# KiCad board Vectrex Pad miniNeoGeo.kicad_pcb
title: Vectrex Pad miniNeoGeo; date: 2022-08-17; rev: 1.3; note: or send a letter to Creative Commons, PO Box 1866, Mountain View, CA 94042, USA.; note: To view a copy of this license, visit http://creativecommons.org/licenses/by-sa/4.0/; note: Attribution-ShareAlike 4.0 International License.; note: This work is licensed under the Creative Commons
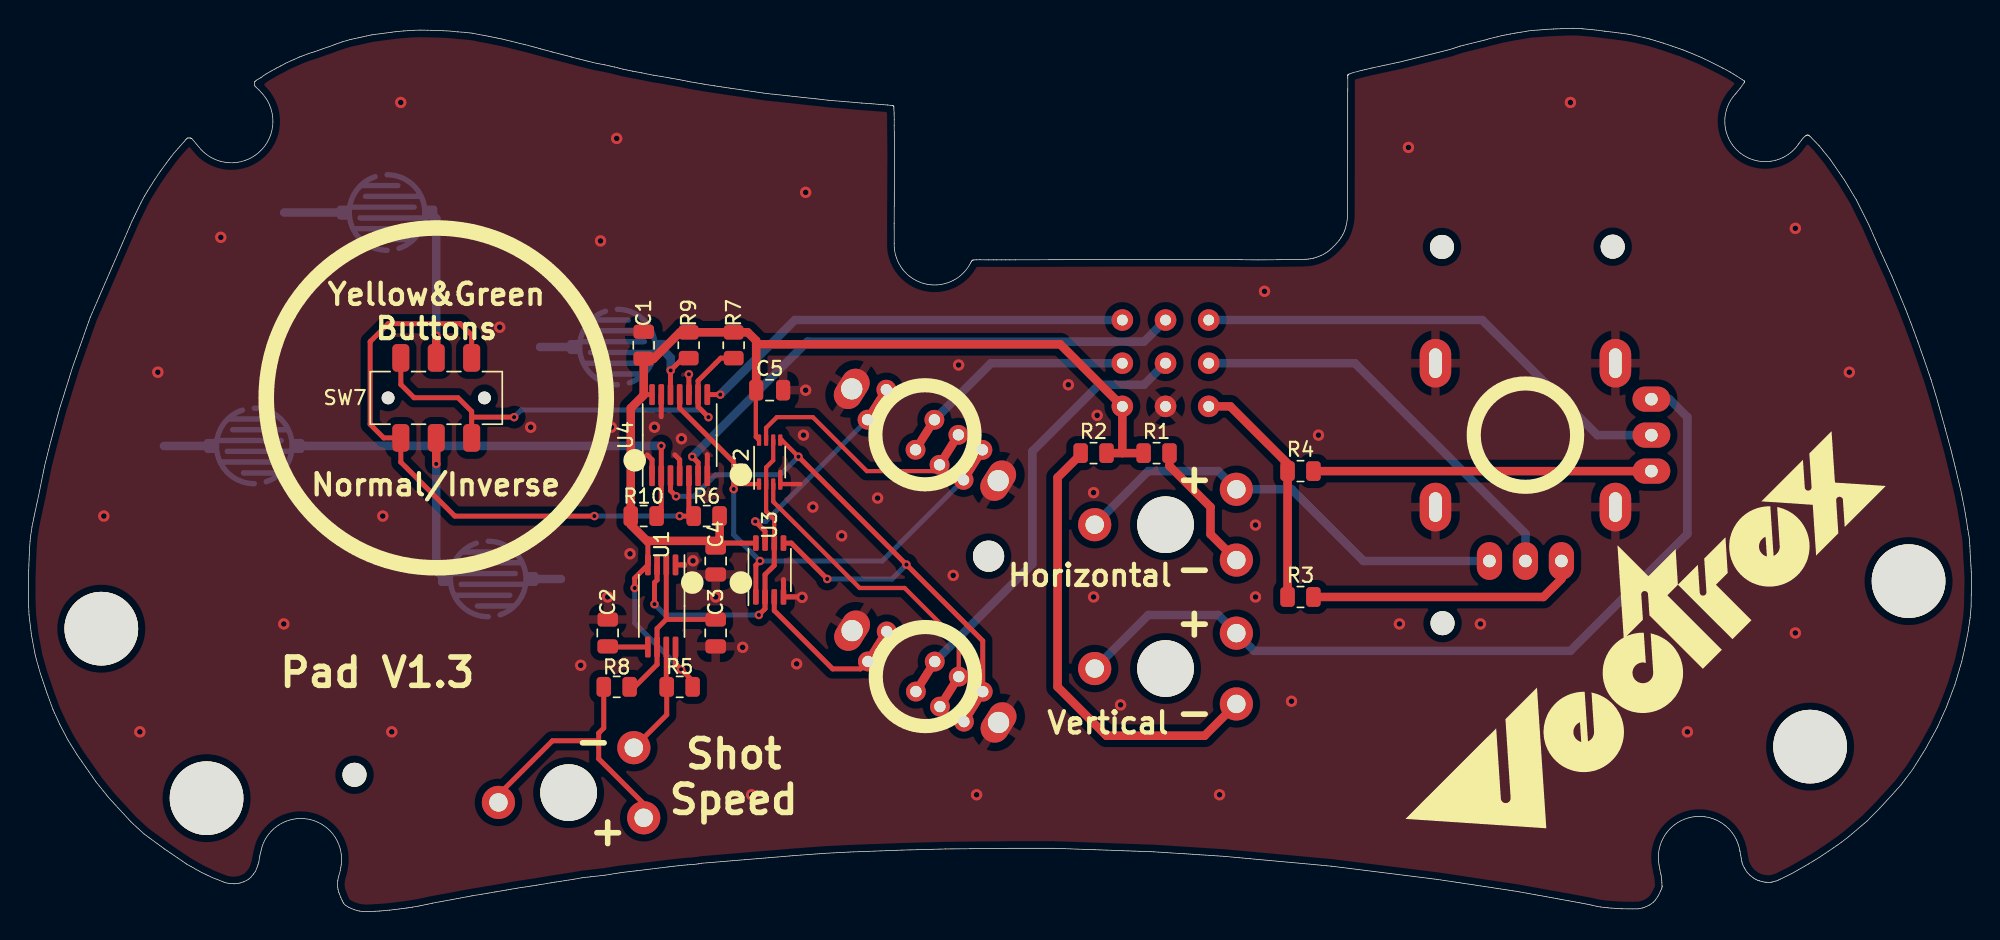
[diagram p0: board, top side]
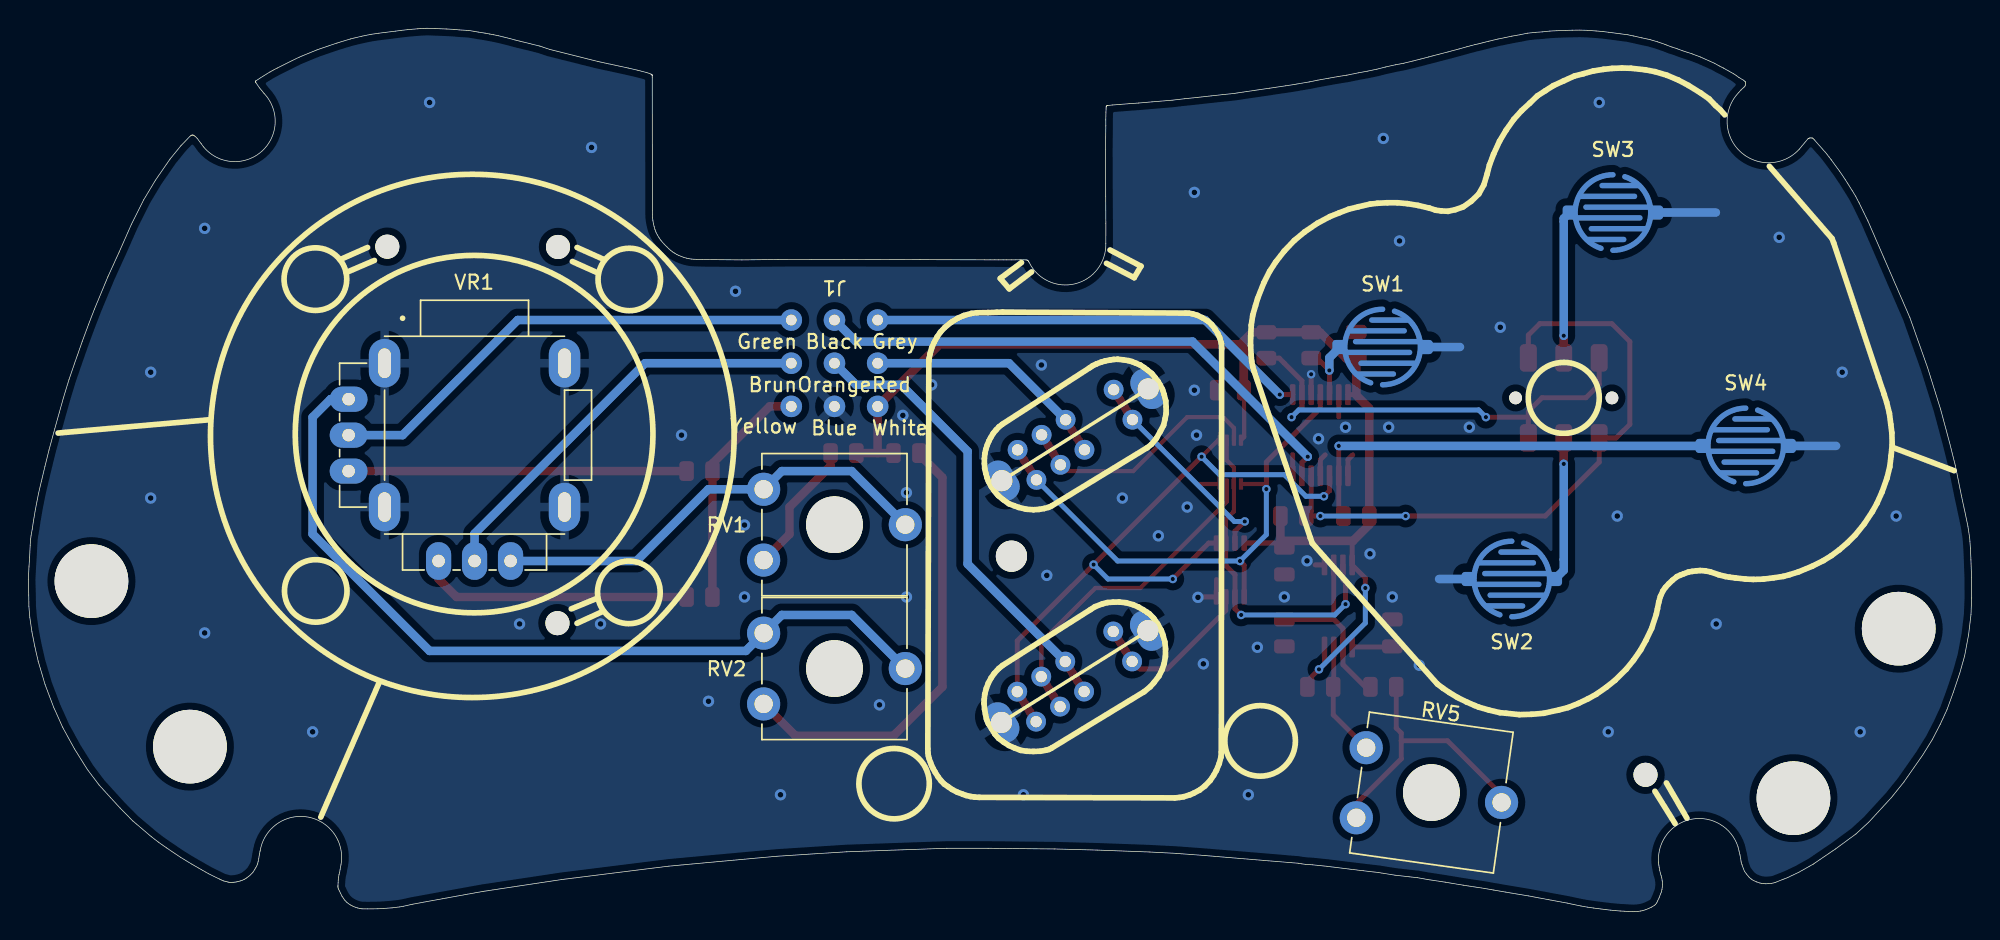
[diagram p1: board, bottom side, seen from below]

Outline 137.15 x 62.39 mm; copper layers: Top, Bottom. Coordinates in mm from the lower left corner of the outline.
Outline path: 0,22.16 0.01,23.61 0.05,24.88 0.09,25.63 0.12,26.15 0.14,26.42 0.26,27.22 0.44,28.06 0.72,29.38 1.15,31.5 1.57,33.15 2.19,35.46 3.11,38.43 4.36,41.96 7.32,48.79 7.94,50.06 8.19,50.54 8.43,50.93 8.93,51.71 9.31,52.29 9.62,52.71 9.92,53.11 10.06,53.3 10.26,53.56 11.11,54.52 11.17,54.58 11.22,54.63 11.26,54.65 11.32,54.65 11.39,54.65 11.43,54.65 11.46,54.64 11.5,54.62 11.52,54.61 11.55,54.59 11.58,54.55 12.18,53.84 arc(16.34,53.7) 16.44,57.86 16.28,58.04 16.17,58.14 16.06,58.25 16,58.3 15.98,58.35 15.96,58.4 15.96,58.49 15.96,58.56 15.97,58.59 15.98,58.62 16.01,58.66 16.11,58.73 16.43,58.92 16.6,59.05 16.79,59.18 16.96,59.27 17.12,59.36 17.52,59.58 17.82,59.73 18.15,59.92 18.56,60.1 19.13,60.36 19.79,60.61 20.41,60.81 20.81,60.96 21.23,61.09 21.64,61.25 22.18,61.44 22.7,61.59 23.28,61.72 23.86,61.85 24.27,61.94 24.82,62.01 25.6,62.11 26.02,62.16 26.51,62.2 27.12,62.25 27.64,62.26 28.19,62.26 28.68,62.24 29.29,62.22 29.79,62.19 30.31,62.14 30.8,62.11 31.37,62.04 31.86,61.94 32.46,61.83 32.92,61.74 33.43,61.63 34.08,61.48 34.75,61.31 35.05,61.24 35.62,61.09 36.17,60.93 36.95,60.72 37.61,60.55 38.32,60.37 38.87,60.23 39.44,60.08 40.11,59.92 40.68,59.81 41.39,59.65 41.97,59.5 42.66,59.36 43.29,59.25 44.1,59.08 44.7,58.99 45.37,58.87 46.21,58.71 46.73,58.61 47.76,58.43 48.42,58.33 49.55,58.16 50.64,58 52.03,57.79 52.89,57.7 53.68,57.62 54.62,57.51 55.54,57.42 56.43,57.31 57.85,57.2 58.81,57.11 59.47,57.07 60.11,57.02 60.64,56.97 60.91,56.95 60.97,56.94 60.99,56.94 61.02,56.93 61.04,56.92 61.05,56.91 61.07,56.9 61.07,56.88 61.08,56.85 61.08,56.82 61.09,56.69 61.1,56.47 61.11,55.93 61.11,55.5 61.13,53.83 61.12,50.53 61.11,48.6 61.11,47.18 arc(63.29,44.34) 66.53,45.87 66.55,45.91 66.57,45.94 66.58,45.96 66.6,45.98 66.62,46 66.64,46.01 66.67,46.02 66.71,46.03 66.8,46.03 66.89,46.04 67.16,46.04 67.45,46.04 67.77,46.04 68.67,46.04 68.94,46.04 69.67,46.04 74.21,46.05 79.58,46.07 81.88,46.07 84.25,46.06 86.79,46.03 89.58,46.06 89.97,46.07 90.18,46.08 90.35,46.09 90.53,46.12 90.7,46.16 90.89,46.21 91.08,46.28 91.26,46.36 91.4,46.43 91.57,46.53 91.68,46.6 91.84,46.72 91.94,46.81 92.07,46.94 92.27,47.14 92.5,47.4 92.64,47.59 92.76,47.8 92.86,48 92.93,48.18 92.99,48.39 93.04,48.6 93.08,48.83 93.1,49.03 93.11,49.26 93.11,49.5 93.12,58.9 93.12,59.06 93.13,59.09 93.13,59.1 93.15,59.12 93.16,59.13 93.18,59.14 93.19,59.14 93.21,59.16 93.3,59.2 93.51,59.27 94.13,59.43 94.82,59.59 96.96,60.05 100.37,60.91 101.05,61.13 101.81,61.32 102.8,61.57 103.19,61.67 103.96,61.86 104.31,61.94 104.59,61.99 104.92,62.05 105.4,62.13 105.7,62.18 106.08,62.24 106.23,62.25 106.7,62.28 107.11,62.31 107.63,62.34 108.45,62.37 108.94,62.39 109.09,62.39 109.25,62.38 109.49,62.37 109.66,62.36 110.38,62.3 110.85,62.24 111.25,62.19 111.95,62.1 112.42,62.04 112.96,61.97 113.65,61.82 114.41,61.64 115.38,61.35 116.12,61.09 116.77,60.87 118.04,60.35 118.67,60.04 119.59,59.58 120.1,59.31 120.63,58.98 121.09,58.68 121.11,58.66 121.12,58.65 121.13,58.64 121.13,58.64 121.13,58.63 121.13,58.62 121.12,58.61 121.12,58.6 121.1,58.57 121.08,58.54 120.84,58.18 120.69,58 120.51,57.79 arc(120.7,53.69) 124.79,54.02 124.95,54.24 125.23,54.62 125.37,54.76 125.44,54.8 125.48,54.83 125.51,54.84 125.53,54.85 125.56,54.85 125.59,54.85 125.61,54.85 125.64,54.84 125.67,54.82 125.69,54.8 125.75,54.75 126.39,54.09 127.15,53.16 128.18,51.66 129.01,50.28 129.88,48.54 130.74,46.59 131.54,44.83 132.49,42.56 132.91,41.45 133.35,40.27 133.9,38.69 134.28,37.58 134.67,36.33 134.97,35.24 135.29,34.1 135.69,32.61 135.98,31.44 136.24,30.38 136.43,29.54 136.65,28.43 136.79,27.62 136.88,27.02 136.96,26.54 136.99,26.32 137.02,25.86 137.06,25.02 137.1,24.41 137.15,23.48 137.12,22.36 137.11,21.57 137.05,20.79 136.9,19.76 136.7,18.77 136.46,17.69 135.97,16.04 135.36,14.44 134.72,13 133.9,11.5 132.98,10.04 132.16,8.95 131.37,8.08 130.67,7.32 129.78,6.41 128.47,5.3 127.98,4.92 127.39,4.51 126.4,3.84 125.6,3.35 124.42,2.67 123.67,2.31 123.55,2.25 123.45,2.2 123.37,2.17 123.27,2.15 123.15,2.12 123.07,2.09 123,2.08 122.94,2.07 122.86,2.07 122.77,2.07 122.66,2.08 122.58,2.09 122.48,2.1 122.4,2.12 122.3,2.14 122.18,2.18 122.07,2.21 121.97,2.26 121.89,2.29 121.81,2.34 121.74,2.39 121.6,2.5 121.48,2.6 121.38,2.7 121.3,2.78 121.26,2.85 121.16,3 121.09,3.12 121.05,3.21 121,3.31 120.96,3.42 120.93,3.56 120.89,3.77 120.85,4 120.83,4.12 120.8,4.24 120.79,4.32 arc(117.42,6.68) 115.09,3.3 115.15,2.97 115.18,2.78 115.22,2.63 115.26,2.43 115.28,2.24 115.29,2.05 115.3,1.84 115.3,1.78 115.3,1.74 115.29,1.66 115.26,1.59 115.19,1.45 115.11,1.28 115.01,1.08 114.9,0.92 114.81,0.8 114.67,0.66 114.56,0.57 114.39,0.46 114.21,0.37 114.06,0.31 113.92,0.26 113.74,0.22 113.6,0.2 113.2,0.2 112.48,0.21 112.06,0.23 111.49,0.27 110.95,0.34 110.68,0.38 110.07,0.52 107.91,0.91 105.06,1.43 99.51,2.27 91.94,3.22 84.33,3.91 79.42,4.23 72.33,4.48 69.41,4.48 64.71,4.43 61.72,4.35 58.05,4.22 56.12,4.12 54.11,3.97 47.52,3.42 47.31,3.38 47.03,3.35 46.51,3.31 45.5,3.21 42.94,2.89 41.86,2.77 40.69,2.58 39.71,2.47 39.11,2.4 38.42,2.28 37.13,2.08 35.87,1.87 34.41,1.65 33.72,1.53 32.91,1.39 31.26,1.11 29.87,0.85 28.53,0.6 27.58,0.4 27.13,0.32 26.66,0.25 25.82,0.15 25.49,0.11 25.12,0.07 24.81,0.05 24.52,0.03 24.22,0.01 23.91,0 23.76,0 23.59,0.01 23.38,0.04 23.25,0.07 23,0.14 22.8,0.22 22.6,0.32 22.4,0.44 22.32,0.5 22.26,0.59 22.21,0.67 22.16,0.76 22.06,0.99 21.96,1.26 21.9,1.39 21.86,1.58 21.83,1.74 21.82,1.91 21.83,2.11 21.85,2.22 21.88,2.41 21.91,2.53 21.97,2.72 22.02,2.94 22.05,3.12 22.08,3.28 22.09,3.34 22.09,3.41 22.1,3.45 22.1,3.5 22.1,3.54 arc(19.75,6.54) 16.49,4.57 16.42,4.28 16.35,4.01 16.3,3.73 16.27,3.51 16.21,3.31 16.11,3.05 16.03,2.85 15.89,2.66 15.73,2.45 15.56,2.31 15.4,2.2 15.17,2.1 14.94,2.02 14.82,2 14.67,1.98 14.53,1.97 14.33,1.98 14.11,2 13.89,2.05 13,2.4 12.2,2.78 11.48,3.19 11.18,3.36 9.61,4.43 8.16,5.5 7.26,6.32 5.66,8.07 4.79,9.15 3.47,11.03 2.78,12.15 2.22,13.24 1.74,14.26 1.3,15.5 0.85,16.82 0.5,18.06 0.22,19.55 0.05,20.98 0,22.16
Stack: Top 0.035mm / dielectric 1.11mm FR4 er 4.5 / Bottom 0.035mm

## Placement (name value [footprint] x y rotation side)
C1  100nF  [C_0805_2012Metric]  43.43 40.01 90 top
C2  10nF  [C_0805_2012Metric]  40.89 19.69 90 top
C3  470nf  [C_0805_2012Metric]  48.51 19.69 270 top
C4  100nF  [C_0805_2012Metric]  48.51 24.77 270 top
C5  100nF  [C_0805_2012Metric]  52.32 36.83 0 top
J1  DB9_Female  [DB9]  80.26 38.74 180 bottom
NOREF  -  [unnamed]  -20.9 108.9 0 top
NOREF#2  -  [unnamed]  -27.85 97.21 0 top
NOREF#3  -  [unnamed#2]  -130.58 95.22 0 top
NOREF#4  -  [unnamed#3]  -85.83 110.66 0 top
NOREF#5  -  [unnamed#2]  -41.78 132.52 0 top
NOREF#6  -  [unnamed#2]  -53.79 105.93 0 top
NOREF#7  -  [unnamed]  -141.02 93.57 0 top
NOREF#8  -  [unnamed#2]  -53.83 132.5 0 top
NOREF#9  -  [unnamed]  -148.45 105.54 0 top
R1  330  [R_0805_2012Metric]  79.62 32.39 0 top
R2  330  [R_0805_2012Metric]  75.18 32.39 180 top
R3  820  [R_0805_2012Metric]  89.78 22.23 180 top
R4  820  [R_0805_2012Metric]  89.78 31.12 180 top
R5  10k  [R_0805_2012Metric]  45.97 15.88 180 top
R6  470k  [R_0805_2012Metric]  47.87 27.94 180 top
R7  470k  [R_0805_2012Metric]  49.78 40.01 270 top
R8  47k  [R_0805_2012Metric]  41.52 15.88 0 top
R9  470k  [R_0805_2012Metric]  46.6 40.01 270 top
R10  470k  [R_0805_2012Metric]  43.43 27.94 0 top
RV1  1k  [Potentiometer_ACP_CA9-V10_Vertical_Hole]  85.26 24.83 180 bottom
RV2  1k  [Potentiometer_ACP_CA9-V10_Vertical_Hole]  85.26 14.67 180 bottom
RV5  470k  [Potentiometer_ACP_CA9-V10_Vertical_Hole]  43.43 6.63 188 bottom
SW1  SW_Push  [Silicon Button 5mm Medium]  41.57 39.88 180 bottom
SW2  SW_Push  [Silicon Button 5mm Medium]  32.46 23.5 0 bottom
SW3  SW_Push  [Silicon Button 5mm Medium]  25.32 49.38 180 bottom
SW4  SW_Push  [Silicon Button 5mm Medium]  15.95 32.9 180 bottom
SW5  SW_DP3T  [OS203011MS1QP1]  63.28 33.68 147.9 bottom
SW6  SW_DP3T  [OS203011MS1QP1]  63.31 16.61 147.9 bottom
SW7  SW_DPDT_x2  [SW_DPDT_K3-2245S-K1]  28.79 36.29 180 top
U1  NE555D  [TSSOP-8_4.4x3mm_P0.65mm]  44.7 21.59 270 top
U2  74LVC2G32  [VSSOP-8_2.3x2mm_P0.5mm]  52.32 31.75 90 top
U3  74LVC2G00  [SSOP-8_2.95x2.8mm_P0.65mm]  52.32 24.13 90 top
U4  74LS125  [TSSOP-14_4.4x5mm_P0.65mm]  45.97 33.66 90 top
VR1  -  [F-2116]  105.66 33.66 180 bottom

## Library data of the parts
VR1 = -: MANUFACTURER: F; MAXIMUM_PACKAGE_HEIGHT: 19mm; PARTREV: N/A; STANDARD: Manufacturer Recommendations

## Footprints (pads in the part's own frame, mm; a bottom-side part is the same pattern mirrored in y, then rotated)
C_0805_2012Metric
  rrect 1x1.45 smd: 1(-0.95,0) 2(0.95,0)
DB9
  round 1.524 hole 0.762: 1(3.048,0) 2(0,3.048) 3(3.048,3.048) 4(0,0) 5(-3.048,0) 6(-3.048,3.048) 7(3.048,-3.048) 8(0,-3.048) 9(-3.048,-3.048)
F-2116
  oval 1.778x2.667 hole 0.889: H1(2.54,-8.89) H2(0,-8.89) H3(-2.54,-8.89)
  oval 2.222x3.429 hole 0.889x2.096: S1(-6.35,5.08) S2(-6.35,-5.08) S3(6.35,-5.08) S4(6.35,5.08)
  oval 2.667x1.778 hole 0.889: V1(-8.89,2.54) V2(-8.89,0) V3(-8.89,-2.54)
OS203011MS1QP1
  round 1.4 hole 0.8: 1(-4,1.25) 2(-2,1.25) 3(0,1.25) 4(4,1.25) 5(-4,-1.25) 6(-2,-1.25) 7(0,-1.25) 8(4,-1.25)
  oval 2x3 hole 1.5: 9(-6.1,0) 9(6.1,0)
Potentiometer_ACP_CA9-V10_Vertical_Hole
  round 4 hole 4 unplated: (5,2.5)
  round 2.34 hole 1.3: 1(0,0) 2(10,2.5) 3(0,5)
R_0805_2012Metric
  rrect 1.025x1.4 smd: 1(-0.912,0) 2(0.912,0)
Silicon Button 5mm Medium
  rrect 1x1 smd: 1(-3.048,0) 2(3.048,0)
SSOP-8_2.95x2.8mm_P0.65mm
  rrect 1.1x0.4 smd: 1(-1.9,0.975) 2(-1.9,0.325) 3(-1.9,-0.325) 4(-1.9,-0.975) 5(1.9,-0.975) 6(1.9,-0.325) 7(1.9,0.325) 8(1.9,0.975)
SW_DPDT_K3-2245S-K1
  round 0.9 hole 0.9 unplated: (-3.4,0) (3.4,0)
  rrect 1.2x1.95 smd: 1(-2.5,2.825) 2(0,2.825) 3(2.5,2.825) 4(-2.5,-2.825) 5(0,-2.825) 6(2.5,-2.825)
TSSOP-8_4.4x3mm_P0.65mm
  rrect 1.475x0.4 smd: 1(-2.9,0.975) 2(-2.9,0.325) 3(-2.9,-0.325) 4(-2.9,-0.975) 5(2.9,-0.975) 6(2.9,-0.325) 7(2.9,0.325) 8(2.9,0.975)
TSSOP-14_4.4x5mm_P0.65mm
  rrect 1.475x0.4 smd: 1(-2.862,1.95) 2(-2.862,1.3) 3(-2.862,0.65) 4(-2.862,0) 5(-2.862,-0.65) 6(-2.862,-1.3) 7(-2.862,-1.95) 8(2.862,-1.95) 9(2.862,-1.3) 10(2.862,-0.65) 11(2.862,0) 12(2.862,0.65) 13(2.862,1.3) 14(2.862,1.95)
unnamed
  round 5.2 hole 5.2 unplated: (153.601,-85.557)
unnamed#2
  round 1.7 hole 1.7 unplated: (153.601,-85.557)
unnamed#3
  round 2.2 hole 2.2 unplated: (153.601,-85.557)
VSSOP-8_2.3x2mm_P0.5mm
  rrect 0.8x0.3 smd: 1(-1.55,0.75) 2(-1.55,0.25) 3(-1.55,-0.25) 4(-1.55,-0.75) 5(1.55,-0.75) 6(1.55,-0.25) 7(1.55,0.25) 8(1.55,0.75)

## Nets
+5V: C1.1 C4.1 C5.1 J1.7 R1.1 R2.1 R5.1 R6.1 R7.1 R9.1 R10.1 U1.4 U1.8 U2.8 U3.8 U4.14
-5V: J1.9 R3.2 R4.2
GND: C1.2 C2.2 C3.2 C4.2 C5.2 J1.8 SW1.2 SW2.2 SW3.2 SW4.2 SW5.9 SW6.9 U1.1 U2.4 U3.4 U4.1 U4.4 U4.7 U4.10 U4.13 VR1.S1 VR1.S2 VR1.S3 VR1.S4
/Black: J1.2 U4.6
/Brun: J1.5 VR1.H2
/Green: J1.6 VR1.V2
/Grey: J1.3 U4.8
/Orange: J1.4 SW6.3 SW6.7
/Red: J1.1 SW5.3 SW5.7
Net-(C2-Pad1): C2.1 U1.5
Net-(C3-Pad1): C3.1 R8.2 U1.2 U1.6
Net-(R1-Pad2): R1.2 RV1.1
Net-(R2-Pad2): R2.2 RV2.1
Net-(R3-Pad1): R3.1 VR1.H3
Net-(R4-Pad1): R4.1 VR1.V3
Net-(R5-Pad2): R5.2 RV5.3 U1.7
Net-(R6-Pad2): R6.2 SW7.3 SW7.4 U4.5
Net-(R7-Pad2): R7.2 SW7.1 SW7.6 U4.9
Net-(R8-Pad1): R8.1 RV5.1 RV5.2
Net-(R9-Pad2): R9.2 SW1.1 U4.12
Net-(R10-Pad2): R10.2 SW4.1 U4.2
Net-(RV1-Pad2): RV1.2 RV1.3 VR1.H1
Net-(RV2-Pad2): RV2.2 RV2.3 VR1.V1
Net-(SW2-Pad1): SW2.1 SW7.2
Net-(SW3-Pad1): SW3.1 SW7.5
Net-(SW5-Pad1): SW5.1 SW5.5 U2.1 U3.1 U4.11
Net-(SW5-Pad2): SW5.2 SW5.6 U2.7
Net-(SW5-Pad4): SW5.4 SW5.8 U3.7
Net-(SW6-Pad1): SW6.1 SW6.5 U2.5 U3.5 U4.3
Net-(SW6-Pad2): SW6.2 SW6.6 U2.3
Net-(SW6-Pad4): SW6.4 SW6.8 U3.3
Net-(U1-Pad3): U1.3 U2.2 U2.6 U3.2 U3.6

## Via types
v1: diameter 0.8, hole 0.4, Top to Bottom, 53 vias
v2: diameter 0.6, hole 0.3, Top to Bottom, 22 vias

## Routing (per net, layer and track width the routed paths; a pad name or vN(x,y) marks a point on that pad's centre or on a via; arc(x,y) is an arc through that point)
+5V: length 88.5
  Top w0.3: 51.34,36.81 51.34,33.53 U2.8
  Top w0.35: U4.14 43.43,36.52 43.43,36.48 ; R5.1 46.88,16.3 v2(46.06,17.12) 45.67,17.51 U1.8 ; 48.51,26.04 50.28,26.04 50.28,26.03 U3.8 ; v2(42.79,22.86) 42.79,23.56 U1.4 43.72,26.14 ; 48.79,26 C4.1 ; 51.34,36.81 C5.1
  Top w0.6: R1.1 R2.1 ; 43.43,36.48 42.52,35.56 R10.1 42.52,27.33 43.68,26.16 43.71,26.19 48.59,26.19 48.79,26 R6.1 ; 43.43,36.52 C1.1 44.13,39.06 45.99,40.92 R9.1 R7.1 50.77,40.92 51.37,40.32 51.37,40.07 ; 51.37,40.07 72.83,40.07 J1.7 77.21,32.39 ; 51.37,40.07 C5.1
  Bottom w0.35: v2(42.79,22.86) 42.79,20.39 v2(46.06,17.12)
-5V: length 16.7
  Top w0.6: J1.9 84.83,35.69 88.87,31.65 R3.2
GND: length 25.2
  Top w0.3: 53.07,30.23 53.07,31.07 ; 54.5,30.2 53.07,30.2
  Top w0.35: U4.4 45.97,31.93 45.63,32.27 ; U4.13 44.67,34.96 ; U4.1 44.02,31.92 43.68,32.26 ; U4.7 47.92,32.28 ; v1(54.6,22.2) 54.57,22.23 U3.4 53.29,23.46 ; v2(46.62,37.96) U4.10 ; U1.1 46.33,24.49
  Bottom w0.6: SW1.2 36.11,39.88 ; SW3.2 18.05,49.38 ; SW4.2 9.57,32.9 ; SW2.2 37.59,23.5
  vias: v1(5.33,27.94) v1(7.87,12.7) v1(9.14,38.1) v1(13.58,47.63) v1(18.03,20.32) v1(25.01,27.94) v1(25.65,12.7) v1(26.28,57.15) v1(33.27,41.28) v1(35.45,34.22) v1(38.98,17.4) v1(40.38,47.37) v1(40.89,22.23) v1(41.14,34.22) v1(41.52,54.61) v1(42.46,25.28) v1(44.19,34.22) v1(46.1,33.4) v1(46.91,24.78) v1(48.51,22.23) v1(50.41,18.67) v1(51.05,8.26) v1(54.22,17.5) v1(54.71,33.66) v1(54.86,50.8) v1(54.86,36.83) v1(55.37,28.58) v1(57.4,26.55) v1(59.94,29.21) v1(65.27,23.75) v1(65.65,38.61) v1(66.92,8.26) v1(73.4,37.21) v1(75.18,29.59) v1(75.18,22.23) v1(75.43,35.05) v1(77.08,14.61) v1(84.07,8.26) v1(86.61,27.31) v1(86.61,22.23) v1(87.24,43.82) v1(89.15,14.86) v1(91.05,33.66) v1(96.77,20.32) v1(97.4,53.98) v1(102.48,20.32) v1(108.83,57.15) v1(117.09,12.7) v1(124.71,48.26) v1(124.71,19.69) v1(128.52,38.1) v1(128.52,29.21)
/Black: length 38.9
  Top w0.35: U4.6 47.27,31.72 v2(46.86,32.13)
  Bottom w0.6: J1.2 78.73,40.26 54.99,40.26 v2(46.86,32.13)
/Brun: length 29.3
  Bottom w0.6: J1.5 93.62,38.74 105.66,26.7 VR1.H2
/Green: length 34.6
  Bottom w0.6: J1.6 102.61,41.79 110.74,33.66 VR1.V2
/Grey: length 31.5
  Top w0.35: U4.8 v2(48.83,36.52)
  Bottom w0.6: J1.3 54.1,41.79 v2(48.83,36.52)
/Orange: length 32.2
  Top w0.6: SW6.7 SW6.3
  Bottom w0.6: J1.4 78.73,37.21 75.56,37.21 70.86,32.51 70.86,24.56 SW6.3
/Red: length 17.4
  Top w0.6: SW5.3 SW5.7
  Bottom w0.6: SW5.3 67.94,38.74 J1.1
Net-(C2-Pad1): length 2.9
  Top w0.35: C2.1 40.93,18.69 U1.5
Net-(C3-Pad1): length 13.4
  Top w0.35: 45.02,24.49 45.02,20.65 ; 45.02,20.65 45.03,20.64 48.51,20.64 ; 45.02,20.65 44.37,20 U1.6 44.37,17.46 42.79,15.88 R8.2
Net-(R1-Pad2): length 9.5
  Top w0.6: RV1.1 83.43,26.66 83.43,28.58 80.54,31.48 R1.2
Net-(R2-Pad2): length 32.2
  Top w0.6: RV2.1 83.01,12.43 76.09,12.43 72.64,15.88 72.64,30.66 74.27,32.29 R2.2
Net-(R3-Pad1): length 19.3
  Top w0.6: R3.1 106.93,22.23 108.2,23.5 VR1.H3
Net-(R4-Pad1): length 23.9
  Top w0.6: VR1.V3 R4.1
Net-(R5-Pad2): length 8.1
  Top w0.35: RV5.3 45.06,13.91 R5.2 45.02,15.91 45.02,18.69
Net-(R6-Pad2): length 45
  Top w0.35: SW7.4 31.29,40.72 30.47,41.53 25.39,41.53 24.12,40.26 24.12,34.42 25.08,33.46 SW7.3 26.29,31.75 30.09,27.94 v2(39.95,27.94) ; U4.5 46.62,28.29 R6.2 v2(45.97,27.94)
  Bottom w0.35: v2(45.97,27.94) v2(39.95,27.94)
Net-(R7-Pad2): length 32.7
  Top w0.35: 31.29,34.88 31.29,35.33 30.32,36.3 27.22,36.3 26.29,37.23 SW7.6 ; 31.29,34.88 SW7.1 ; 31.29,34.88 31.34,34.93 v2(34.28,34.93) ; v2(48,34.93) 47.27,35.66 U4.9 47.27,37.5 48.87,39.1 R7.2
  Bottom w0.35: v2(48,34.93) 47.49,35.44 34.79,35.44 v2(34.28,34.93)
Net-(R8-Pad1): length 19.9
  Top w0.35: RV5.1 43.43,7.62 40.25,10.8 40.25,12.07 ; 40.25,12.07 40.25,12.61 40.61,12.97 R8.1 ; 40.25,12.07 36.99,12.07 33.18,8.26 RV5.2
Net-(R9-Pad2): length 5.3
  Top w0.35: R9.2 46.2,39.1 v2(45.33,38.23) 45.32,38.21 U4.12
  Bottom w0.35: SW1.1 44.62,39.83
  Bottom w0.6: 44.62,39.83 45.33,39.12 v2(45.33,38.23)
Net-(R10-Pad2): length 30.8
  Top w0.35: R10.2 44.67,28.27 U4.2 v2(44.67,32.9)
  Bottom w0.6: SW4.1 v2(44.67,32.9)
Net-(RV1-Pad2): length 32.1
  Bottom w0.6: VR1.H1 94.23,24.77 89.16,29.83 RV1.3 83.97,31.12 79.04,31.12 RV1.2
Net-(RV2-Pad2): length 59.2
  Bottom w0.6: VR1.V1 115.82,36.2 117.09,34.93 117.09,26.67 108.83,18.42 86.51,18.42 RV2.3 83.97,20.96 79.04,20.96 RV2.2
Net-(SW2-Pad1): length 10.2
  Top w0.6: SW7.2 v2(28.79,31.63)
  Bottom w0.6: v2(28.79,31.63) 28.79,24.12 SW2.1
Net-(SW3-Pad1): length 10.4
  Top w0.6: SW7.5 v2(28.79,40.68)
  Bottom w0.6: SW3.1 28.79,48.96 v2(28.79,40.68)
Net-(SW5-Pad1): length 38.1
  Top w0.3: 49.78,30.15 49.83,30.2 51.57,30.2 U2.1
  Top w0.35: U4.11 45.97,35.56 49.78,31.75 v2(49.78,29.85) 49.78,29.85 49.78,30.15 ; U3.1 51.34,24.47 v2(51.64,24.77)
  Top w0.6: SW5.1 SW5.5
  Bottom w0.35: v2(49.78,29.85) 49.78,26.63 v2(51.64,24.77) 60.27,24.77 SW5.5
Net-(SW5-Pad2): length 17.7
  Top w0.3: SW5.6 63.87,31.12 59.18,31.12 55.37,34.93 52.83,34.93 52.06,34.17 52.06,33.31
  Top w0.6: SW5.2 SW5.6
Net-(SW5-Pad4): length 15.2
  Top w0.35: v2(51.3,27.56) 51.99,26.87 U3.7
  Top w0.6: SW5.4 SW5.8
  Bottom w0.35: SW5.8 52.04,27.56 v2(51.3,27.56)
Net-(SW6-Pad1): length 47.8
  Top w0.3: U2.5 53.18,33.3 v2(54.35,32.13)
  Top w0.35: v2(56.38,23.5) 53.85,26.03 U3.5 ; SW6.1 67.36,19.13 v2(61.97,24.51) v2(54.35,32.13) ; v2(45.71,29.34) 45.32,29.74 U4.3
  Top w0.6: SW6.1 SW6.5
  Bottom w0.35: v2(61.97,24.51) 60.95,23.5 v2(56.38,23.5) ; v2(45.71,29.34) 46.98,29.34 48.51,30.86 53.08,30.86 v2(54.35,32.13)
Net-(SW6-Pad2): length 23.4
  Top w0.3: U2.3 52.57,30.2 52.57,28.96 58.67,22.86 61.84,22.86 65.66,19.04 SW6.2
  Top w0.6: SW6.2 SW6.6
Net-(SW6-Pad4): length 12.2
  Top w0.35: 52.64,22.43 52.64,21.27 56.76,17.15 58.73,17.15 SW6.8
  Top w0.6: SW6.4 SW6.8
Net-(U1-Pad3): length 23.8
  Top w0.3: U3.6 52.64,27.69 52.07,28.27 52.07,31.38 52.57,31.88 U2.6
  Top w0.35: v2(44.19,21.72) 44.19,23.24 44.37,23.43 U1.3 ; v2(51.56,20.96) 51.99,21.39 U3.2 51.99,23.81 52.64,24.46 U3.6
  Bottom w0.35: v2(51.56,20.96) 44.95,20.96 v2(44.19,21.72)

## Copper pours and planes (outline as drawn; the poured copper is in the pictures)
GND on Top, Bottom: -3.56,-1.9 138.68,-1.9 138.68,64.14 -3.56,64.14

## Text on the board
F.Silkscreen: Normal/Inverse | Yellow&Green / Buttons | Horizontal | Vertical | Pad V1.3 | - | + | Shot / Speed
